# Allegro board Single PMT Data AcquisitionV_3P3.brd
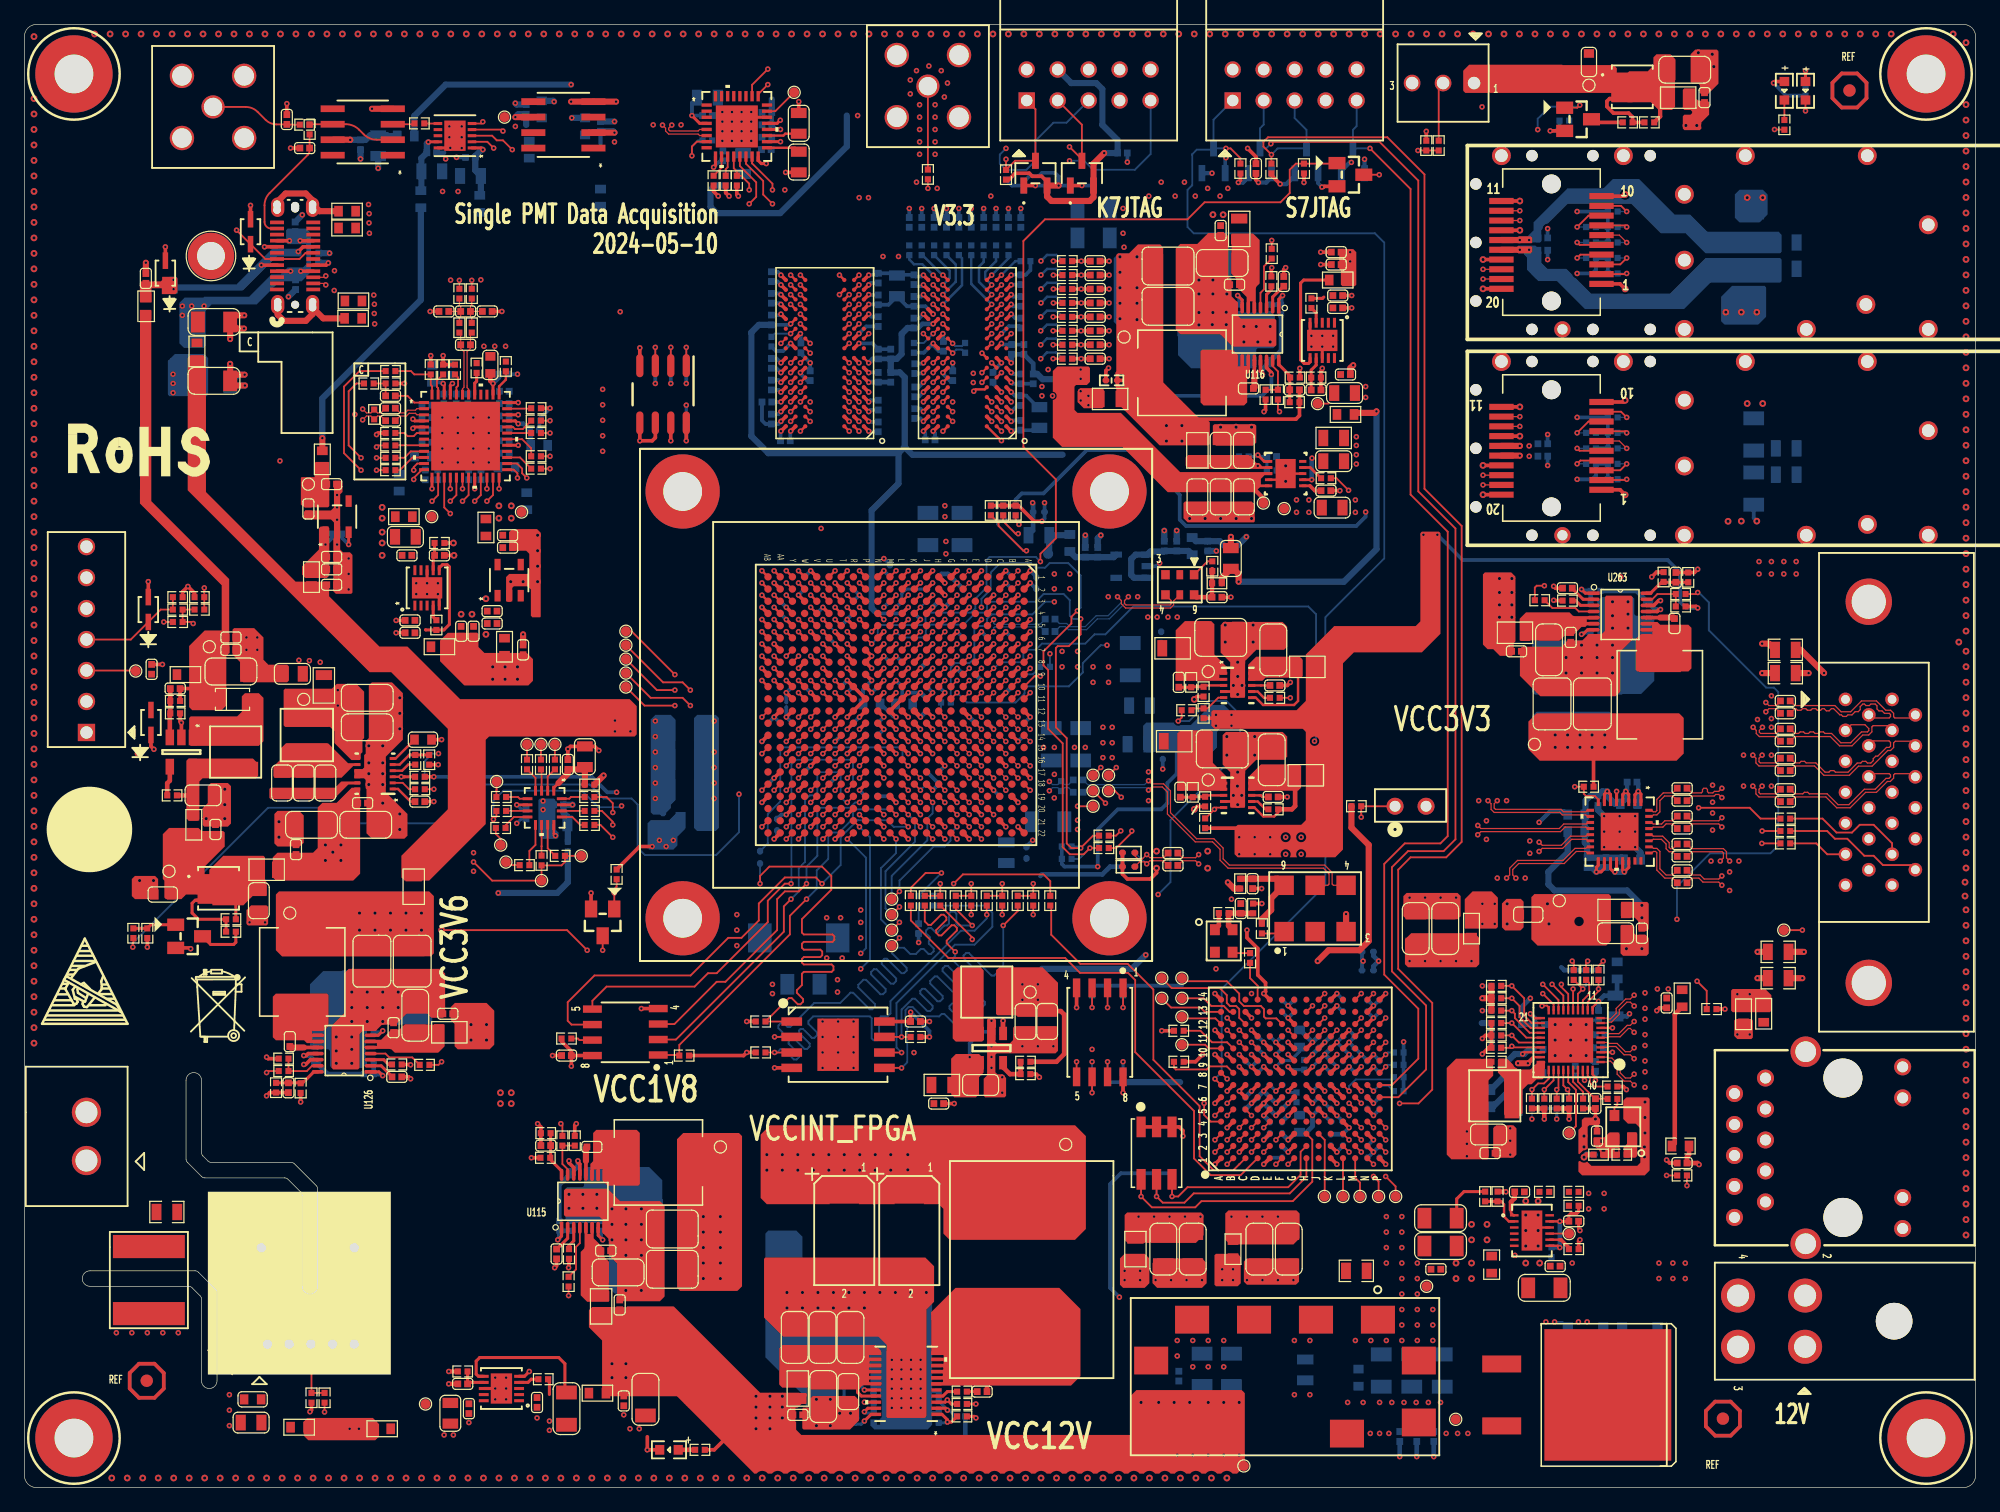
[diagram p0: board, top side]
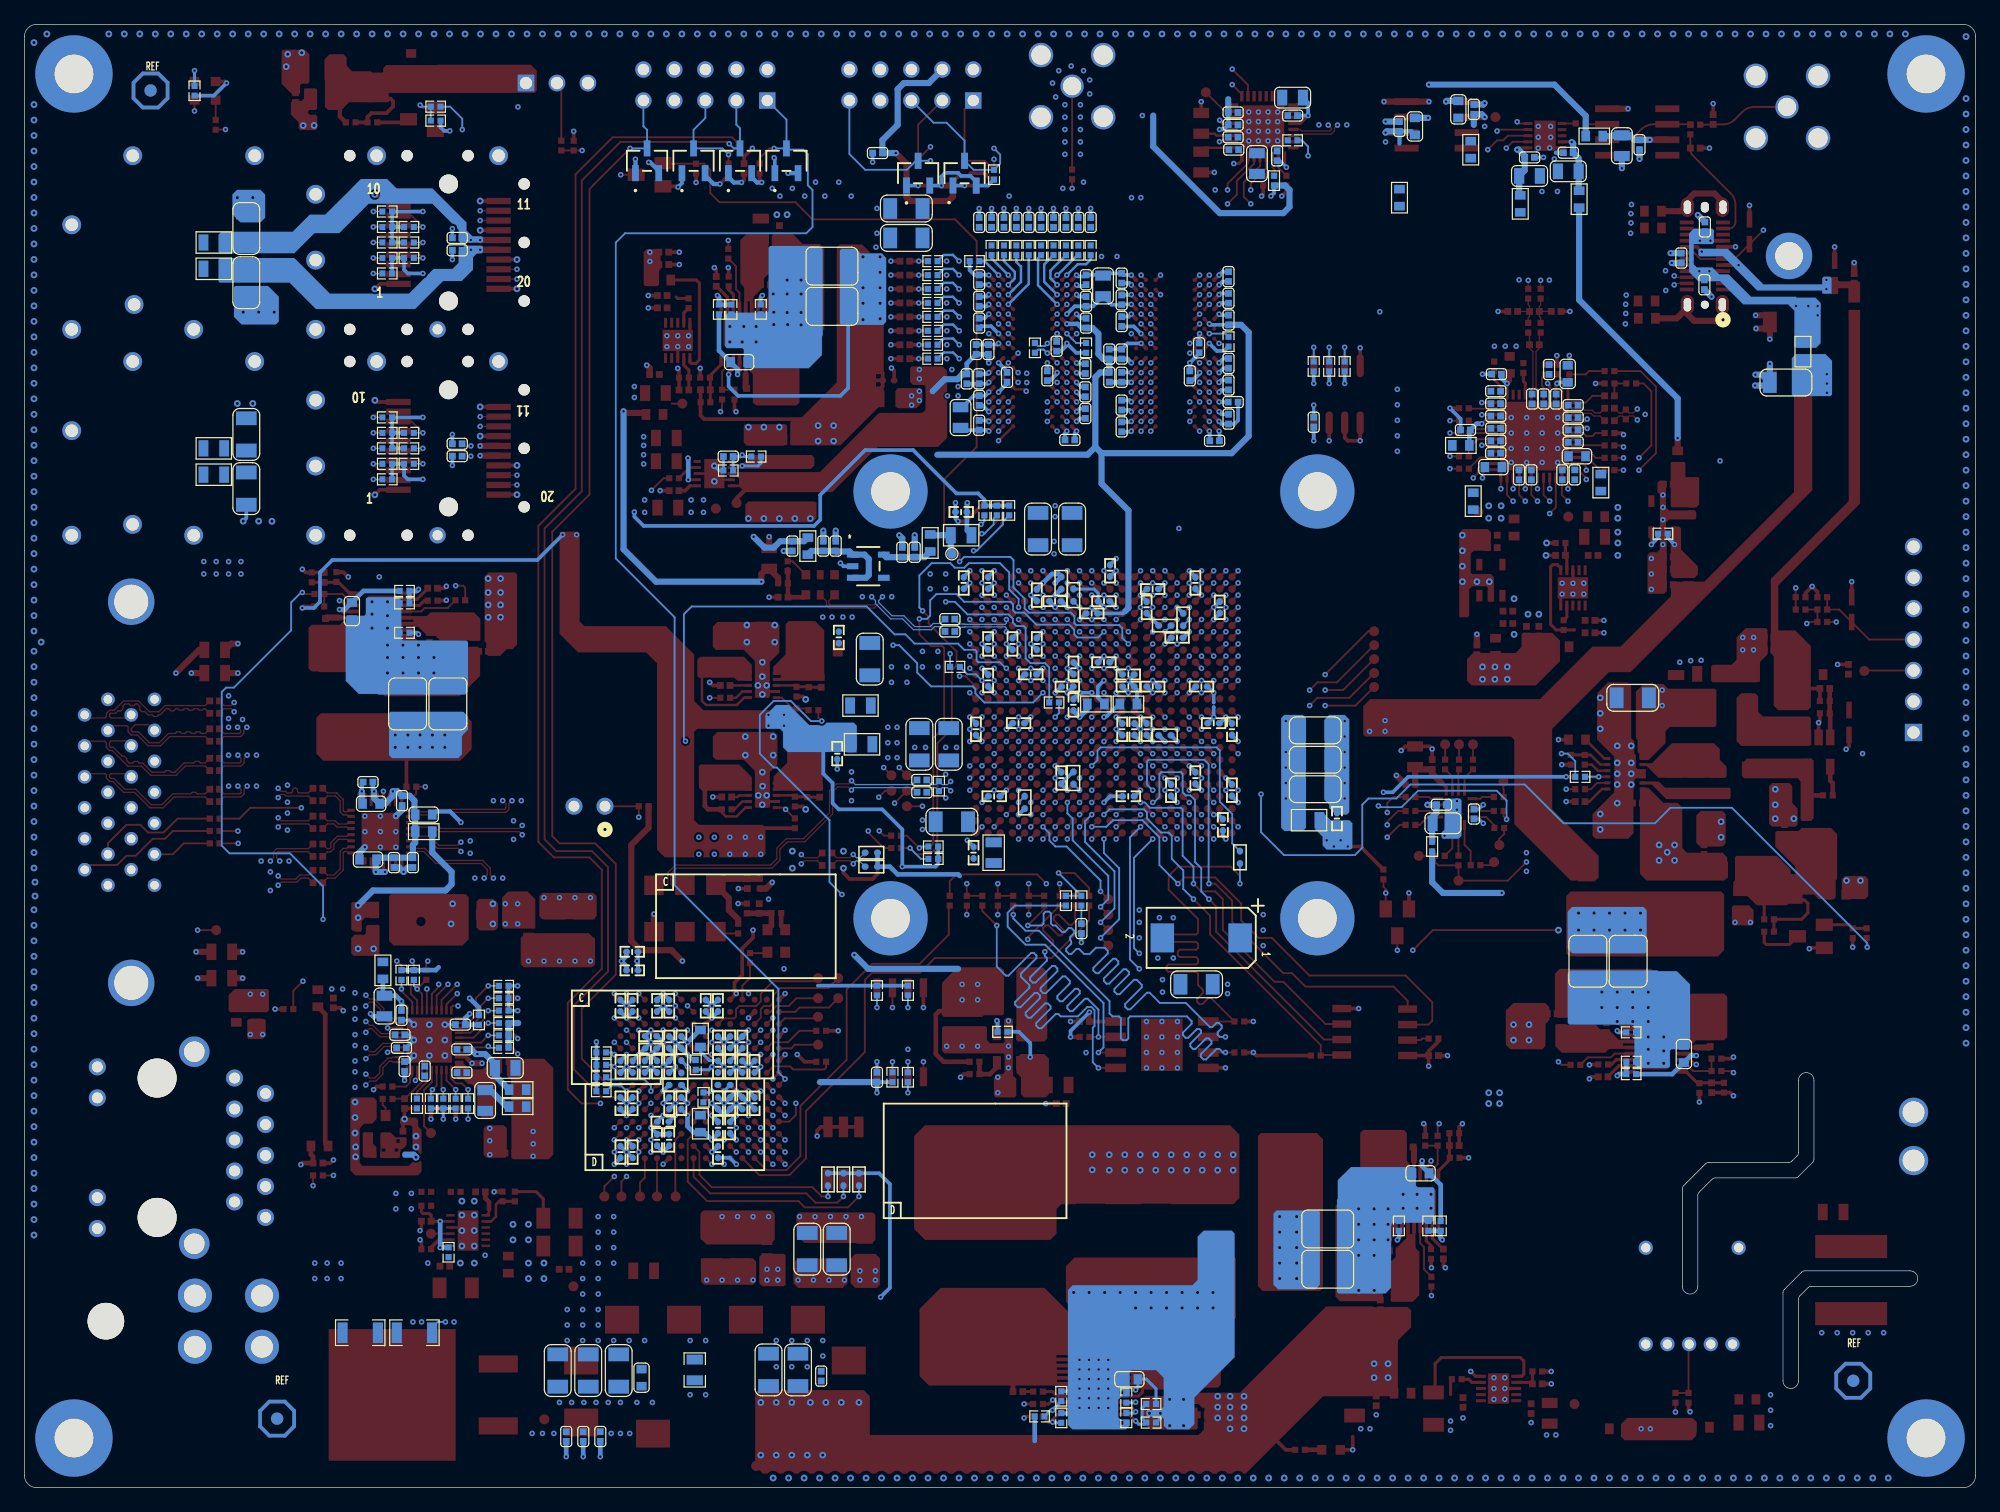
[diagram p1: board, bottom side, seen from below]

Outline 160 x 120 mm; copper layers: TOP, GND02, ART03, GND04, POWR05, ART06, GND07, ART08, GND09, BOTTOM. Coordinates in mm from the lower left corner of the outline.
Outline path: 0,119 0,1 arc(0.29,0.29) 1,0 159,0 arc(159.71,0.29) 160,1 160,119 arc(159.71,119.71) 159,120 1,120 arc(0.29,119.71) 0,119 ; 5.38,16.51 arc(4.75,17.14) 5.38,17.78 14,17.78 arc(14.14,17.75) 14.26,17.67 15.68,16.25 arc(15.77,16.13) 15.79,15.98 15.79,8.76 arc(15.16,8.13) 14.53,8.76 14.53,15.45 arc(14.5,15.6) 14.41,15.72 13.74,16.4 arc(13.61,16.48) 13.47,16.51 5.38,16.51 ; 13.26,33.4 arc(13.89,34.04) 14.53,33.4 14.53,27.47 arc(14.55,27.33) 14.64,27.2 15.06,26.78 arc(15.18,26.7) 15.33,26.67 21.87,26.67 arc(22.02,26.64) 22.14,26.56 23.94,24.76 arc(24.02,24.64) 24.05,24.49 24.05,16.51 arc(23.41,15.88) 22.78,16.51 22.78,23.96 arc(22.75,24.11) 22.67,24.23 21.61,25.29 arc(21.49,25.37) 21.34,25.4 14.8,25.4 arc(14.65,25.43) 14.53,25.51 13.37,26.68 arc(13.28,26.8) 13.26,26.95 13.26,33.4

## Design rules (mm)
constraint set DEFAULT: min track width 0.152
net group 12V: nets VCC12V_IN VCC12V_IN_CON
net group AD9265_CLK_N: nets AD9265_CLK_N N21623510
net group AD9265_CLK_P: nets AD9265_CLK_P N21623558
net group ADC_VIN1: nets ADC_VIN1+ ADC_VIN1-
net group ANG_IN: nets ANG_IN_+ ANG_IN_-
net group FPGA_DONE_R: nets FPGA_DONE_R FPGA_DONE_SFPGA
net group FPGA_INIT_B_R: nets FPGA_INIT_B_R FPGA_INIT_B_SFPGA
net group FPGA_MASTER_CLOCK_N: nets FPGA_MASTER_CLOCK_N N23259707
net group FPGA_MASTER_CLOCK_P: nets FPGA_MASTER_CLOCK_P N23259699
net group FPGA_PROG_B_R: nets FPGA_PROG_B_R FPGA_PROG_B_SFPGA
net group FPGA_SFP1_RX: nets FPGA_SFP1_RX_N FPGA_SFP1_RX_P
net group FPGA_SFP1_TX: nets FPGA_SFP1_TX_N FPGA_SFP1_TX_P
net group FPGA_SFP2_RX: nets FPGA_SFP2_RX_N FPGA_SFP2_RX_P
net group N21623393: nets N21623393 N21623693
net group QSPI_CS_B: nets QSPI_CS_B QSPI_CS_B_R
net group RF_FPS_TRIGGER_N_C: nets N22968125 RF_FPS_TRIGGER_N_C
net group RF_FPS_TRIGGER_P_C: nets N22968123 RF_FPS_TRIGGER_P_C
net group RF_MOD_IN_FIXED_N_C: nets N22968129 RF_MOD_IN_FIXED_N_C
net group RF_MOD_IN_FIXED_P_C: nets N22968127 RF_MOD_IN_FIXED_P_C
net group RF_MOD_IN_VARIABLE_N_C: nets N22968133 RF_MOD_IN_VARIABLE_N_C
net group RF_MOD_IN_VARIABLE_P_C: nets N22968131 RF_MOD_IN_VARIABLE_P_C
net group S_FPGA_CLK: nets N932083 S_FPGA_CLK
net group S_FPGA_QSPI_CLK: nets N929679 S_FPGA_QSPI_CLK
net group SYS_CLK_CON_N: nets SYS_CLK_CON_N TIMING_SYNC_REFCLK_N
net group SYS_CLK_CON_P: nets SYS_CLK_CON_P TIMING_SYNC_REFCLK_P
net group TIMING_SPI_CLK_N_C: nets N22968121 TIMING_SPI_CLK_N_C
net group TIMING_SPI_CLK_P_C: nets N22968119 TIMING_SPI_CLK_P_C
net group 3W: nets AD5592_1_SPI_CLK AD9265_SCLK CLK_SEL FPGA_SFP1_IIC_SCL TMP75_IIC_SCL
net group FPGA_CCLK_SFPGA: nets FPGA_CCLK_SFPGA
net group FPGA_CONFIG_D0: nets FPGA_CONFIG_D0
net group FPGA_CONFIG_D1: nets FPGA_CONFIG_D1
net group FPGA_CONFIG_D2: nets FPGA_CONFIG_D2
net group POWER: nets VCC3V3_A VCC12V_FAN VCC15V VCOM XADC_AGND

## Placement (name value [footprint] x y rotation side)
C2  0.1UF  [C0402_BGA]  73.98 64.19 90 bottom
C13  0.1UF  [C0402]  78.66 103.76 90 bottom
C14  0.1UF  [C0402]  81.71 103.76 90 bottom
C15  0.1UF  [C0402]  75.61 103.76 90 bottom
C22  0.1UF  [C0402]  124.51 101.47 0 bottom
C23  0.1UF  [C0402]  124.51 102.49 0 bottom
C97  0.1UF  [C0402]  106.73 81.76 0 top
C114  22UF  [C1206]  141.8 103.26 90 bottom
C115  22UF  [C1206]  141.8 98.81 270 bottom
C123  47UF  [C1206]  84.2 60.96 270 bottom
C143  47UF  [C1206]  54.15 59.69 180 bottom
C144  4.7UF  [C0402_BGA]  80.98 69.2 270 bottom
C146  4.7UF  [C0402_BGA]  82.97 74.19 90 bottom
C153  4.7UF  [C0402_BGA]  74.48 65.69 0 bottom
C155  4.7UF  [C0402_BGA]  68.98 62.19 90 bottom
C161  100UF  [C1206]  76.88 78.61 90 bottom
C162  100UF  [C1206]  74.09 78.61 90 bottom
C165  0.47UF  [C0402_BGA]  69.48 66.69 180 bottom
C166  0.47UF  [C0402_BGA]  69.98 62.19 90 bottom
C187  0.01UF  [C0402]  71.04 91.06 90 bottom
C217  68PF_DNP  [C0402]  73.33 45.85 270 bottom
C224  4.7UF  [C0805]  107.36 84.18 0 top
C250  10UF  [C0805]  71.55 98.55 90 bottom
C271  1000PF  [C0402]  102.28 84.56 0 bottom
C340  10UF  [C0805]  98.09 85.06 90 top
C341  10UF  [C0805]  99.99 85.06 90 top
C342  10UF  [C0805]  96.19 81.25 270 top
C343  10UF  [C0805]  98.09 81.25 270 top
C344  10UF  [C0805]  100 81.25 270 top
C400  100UF  [C1206]  54.15 57.28 180 bottom
C401  4.7UF  [C0402_BGA]  60.98 62.19 90 bottom
C403  0.47UF  [C0402_BGA]  69.48 56.7 0 bottom
C407  100UF  [C1206]  54.15 62.1 180 bottom
C408  4.7UF  [C0402_BGA]  61.72 54.36 270 bottom
C409  4.7UF  [C0402_BGA]  65.98 57.19 90 bottom
C410  0.47UF  [C0402_BGA]  60.98 57.2 270 bottom
C414  100UF  [C1206]  83.95 54.61 0 bottom
C415  4.7UF  [C0402_BGA]  81.97 62.19 90 bottom
C417  0.47UF  [C0402_BGA]  74.98 58.2 270 bottom
C418  4.7UF  [C0402_BGA]  67.98 62.2 270 bottom
C419  4.7UF  [C0402_BGA]  67.48 65.69 180 bottom
C420  4.7UF  [C0402_BGA]  69.48 65.69 180 bottom
C425  47UF  [C1206]  86.61 60.96 270 bottom
C426  0.1UF  [C0402_BGA]  78.98 69.2 270 bottom
C427  0.1UF  [C0402_BGA]  76.98 69.2 270 bottom
C430  0.1UF  [C0402_BGA]  76.98 73.19 270 bottom
C431  0.1UF  [C0402_BGA]  80.97 74.19 90 bottom
C434  0.47UF  [C0402_BGA]  80.47 56.7 0 bottom
C437  100UF  [C1206]  90.68 67.94 90 bottom
C438  4.7UF  [C0402_BGA]  77.48 66.7 0 bottom
C440  0.47UF  [C0402_BGA]  80.97 66.19 90 bottom
C441  0.47UF  [C0402_BGA]  78.47 62.7 0 bottom
C462  0.1UF  [C0402_BGA]  62.48 62.69 180 bottom
C463  0.1UF  [C0402_BGA]  63.48 65.7 0 bottom
C491  0.1UF  [C0402_BGA]  72.48 71.69 0 bottom
C492  0.1UF  [C0402_BGA]  61.98 72.19 270 bottom
C493  100UF  [C1206]  63.88 41.27 0 bottom
C494  4.7UF  [C0402_BGA]  71.48 67.69 180 bottom
C495  4.7UF  [C0402_BGA]  73.97 67.19 90 bottom
C505  0.1UF  [C0402]  90.04 109.45 0 bottom
C506  4.7UF  [C0402]  70.02 92.96 90 bottom
C507  47nF  [C0402]  61.26 95.76 90 bottom
C508  4.7UF  [C0402_BGA]  67.48 73.7 0 bottom
C510  0.47UF  [C0402_BGA]  65.48 69.7 0 bottom
C511  0.47UF  [C0402_BGA]  63.98 74.19 90 bottom
C514  4.7UF  [C0402_BGA]  67.97 72.19 90 bottom
C515  0.47UF  [C0402_BGA]  70.98 75.19 90 bottom
C516  0.47UF  [C0402_BGA]  71.48 72.69 180 bottom
C520  0.01UF  [C0402]  71.04 92.96 90 bottom
C521  47UF  [C1206]  87.68 102.49 0 bottom
C522  4.7UF  [C0402]  87.8 92.58 0 top
C523  4.7UF  [C0402]  74.6 103.76 90 bottom
C524  0.1UF  [C0402]  73.58 103.76 90 bottom
C525  0.1UF  [C0402]  87.8 100.58 0 top
C526  0.1UF  [C0402]  80.69 103.76 90 bottom
C527  0.1UF  [C0402]  79.68 103.76 90 bottom
C528  47nF  [C0402]  63.67 93.47 270 bottom
C529  47nF  [C0402]  60.88 89.03 180 bottom
C530  47nF  [C0402]  62.4 85.85 180 bottom
C531  47nF  [C0402]  70.02 95.63 90 bottom
C532  47nF  [C0402]  61.26 92.2 270 bottom
C533  47nF  [C0402]  61.26 97.54 90 bottom
C534  47nF  [C0402]  64.44 91.19 90 bottom
C535  47nF  [C0402]  61.26 87.63 270 bottom
C536  47nF  [C0402]  61.26 90.42 90 bottom
C538  47nF  [C0402]  61.26 99.31 90 bottom
C539  47nF  [C0402]  70.02 87 90 bottom
C540  47nF  [C0402]  70.02 88.77 90 bottom
C541  47nF  [C0402]  70.02 91.06 90 bottom
C542  47nF  [C0402]  70.02 97.41 90 bottom
C543  47nF  [C0402]  70.02 99.19 90 bottom
C544  0.01UF  [C0402]  82.72 90.93 90 bottom
C545  0.01UF  [C0402]  81.96 93.34 90 bottom
C546  0.1UF  [C0402]  87.8 99.44 0 top
C547  0.1UF  [C0402]  76.63 103.76 90 bottom
C548  0.1UF  [C0402]  77.64 103.76 90 bottom
C549  47UF  [C1206]  87.68 104.9 0 bottom
C550  4.7UF  [C0402]  87.8 98.3 0 top
C551  4.7UF  [C0402]  87.8 97.16 0 top
C552  0.1UF  [C0402]  72.56 103.76 90 bottom
C553  0.1UF  [C0402]  87.8 93.73 0 top
C554  0.1UF  [C0402]  87.8 94.87 0 top
C555  0.1UF  [C0402]  87.8 96.01 0 top
C556  47nF  [C0402]  75.36 93.6 270 bottom
C557  47nF  [C0402]  76.12 91.19 90 bottom
C558  47nF  [C0402]  74.27 85.93 180 bottom
C559  47nF  [C0402]  73 88.09 270 bottom
C560  47nF  [C0402]  73 89.86 90 bottom
C561  47nF  [C0402]  73 91.77 270 bottom
C562  47nF  [C0402]  81.71 97.28 90 bottom
C563  4.7UF  [C0402]  72.94 95.5 90 bottom
C564  47nF  [C0402]  81.71 99.06 90 bottom
C565  47nF  [C0402]  81.71 95.5 90 bottom
C566  10UF  [C0805]  83.23 87.76 90 bottom
C567  47nF  [C0402]  79.42 91.06 270 bottom
C568  47nF  [C0402]  81.71 87.12 90 bottom
C569  47nF  [C0402]  81.71 89.15 90 bottom
C570  47nF  [C0402]  72.94 97.28 90 bottom
C571  47nF  [C0402]  72.94 99.06 90 bottom
C572  47nF  [C0402]  81.71 90.93 90 bottom
C573  47nF  [C0402]  80.95 93.34 90 bottom
C640  4.7UF  [C0805]  107.23 80.37 0 top
C641  0.1UF  [C0402]  73.07 38.23 0 top
C642  0.01UF  [C0402]  54.28 87.38 90 bottom
C751  100UF  [C1206]  93.39 19.56 270 top
C752  100UF  [C1206]  95.81 19.56 270 bottom
C753  4.7UF  [C0402_BGA]  107.13 31.52 270 bottom
C754  4.7UF  [C0402_BGA]  100.12 31.52 90 bottom
C755  4.7UF  [C0402_BGA]  102.13 29.52 270 bottom
C756  4.7UF  [C0402_BGA]  103.13 29.52 270 bottom
C757  0.47UF  [C0402_BGA]  101.13 34.52 270 bottom
C758  0.47UF  [C0402_BGA]  107.12 36.51 90 bottom
C759  0.47UF  [C0402_BGA]  102.13 34.52 270 bottom
C760  0.47UF  [C0402_BGA]  101.12 36.52 90 bottom
C761  0.47UF  [C0402_BGA]  107.13 34.52 270 bottom
C762  0.47UF  [C0402_BGA]  106.13 31.52 270 bottom
C763  0.47UF  [C0402_BGA]  107.62 30.02 0 bottom
C764  0.47UF  [C0402_BGA]  103.13 31.52 270 bottom
C765  100UF  [C1206]  95.81 19.56 270 top
C766  47UF  [C1206]  93.39 19.56 270 bottom
C767  4.7UF  [C0402_BGA]  101.13 31.52 270 bottom
C768  0.47UF  [C0402_BGA]  100.13 34.52 270 bottom
C769  0.47UF  [C0402_BGA]  102.13 31.52 270 bottom
C770  47UF  [C1206]  103.68 19.56 270 top
C771  4.7UF  [C0402_BGA]  111.13 27.52 270 bottom
C772  4.7UF  [C0402_BGA]  108.62 36.02 0 bottom
C773  0.47UF  [C0402_BGA]  103.13 36.52 270 bottom
C774  0.47UF  [C0402_BGA]  106.13 36.52 270 bottom
C775  0.47UF  [C0402_BGA]  108.13 34.52 270 bottom
C776  0.47UF  [C0402_BGA]  103.13 27.52 270 bottom
C777  47UF  [C1206]  114.09 45.85 90 top
C778  4.7UF  [C0402_BGA]  110.12 34.52 90 bottom
C779  4.7UF  [C0402_BGA]  104.13 39.52 270 bottom
C780  0.47UF  [C0402_BGA]  111.13 39.52 270 bottom
C781  0.47UF  [C0402_BGA]  111.13 31.52 270 bottom
C782  0.47UF  [C0402_BGA]  110.13 31.52 270 bottom
C783  0.47UF  [C0402_BGA]  103.13 39.52 270 bottom
C784  47UF  [C1206]  116.51 45.85 90 top
C785  4.7UF  [C0402_BGA]  111.12 34.52 90 bottom
C786  4.7UF  [C0402_BGA]  110.15 43.94 0 bottom
C787  0.47UF  [C0402_BGA]  108.12 39.51 90 bottom
C788  0.47UF  [C0402_BGA]  110.15 42.42 0 bottom
C789  0.47UF  [C0402_BGA]  110.13 39.52 270 bottom
C790  0.47UF  [C0402_BGA]  107.12 39.51 90 bottom
C791  47UF  [C1206]  101.27 19.56 270 top
C792  4.7UF  [C0402_BGA]  108.12 28.51 90 bottom
C793  4.7UF  [C0402_BGA]  108.62 37.02 0 bottom
C794  0.47UF  [C0402_BGA]  109.13 34.52 270 bottom
C795  0.47UF  [C0402_BGA]  110.12 27.52 90 bottom
C796  0.47UF  [C0402_BGA]  107.12 28.51 90 bottom
C797  0.47UF  [C0402_BGA]  102.13 36.52 270 bottom
C798  0.1UF  [C0402]  90.09 33.66 90 bottom
C799  0.1UF  [C0402]  100.99 108.18 270 top
C800  0.1UF  [C0402]  99.74 47.5 90 top
C815  0.1UF_DNP  [C0402_BGA]  103.12 34.52 270 bottom
C838  1000PF  [C0402]  135.93 26.62 0 top
C839  0.1UF  [C0402]  128.95 28.83 90 top
C841  10UF  [C0805]  130.47 39.5 270 bottom
C842  0.1UF  [C0402]  128.82 34.54 90 bottom
C846  10UF  [C0805]  120.57 34.42 180 bottom
C847  0.1UF  [C0402]  124.13 35.94 0 bottom
C849  0.1UF  [C0402]  124.13 34.04 0 bottom
C850  10UF  [C0805]  122.22 31.75 270 bottom
C851  0.1UF  [C0402]  129.08 38.73 270 bottom
C852  0.1UF  [C0402]  127.17 34.16 90 bottom
C853  0.1UF  [C0402]  129.21 37.13 180 bottom
C854  0.1UF  [C0402]  129.08 36.07 180 bottom
C855  0.1UF  [C0402]  124.25 37.97 0 bottom
C859  10UF  [C0805]  120.06 28.96 0 top
C864  0.1UF  [C0402]  120.19 27.43 0 top
C865  100PF  [C0402]  128.82 31.5 270 top
C866  0.1UF  [C0402]  134.67 39.75 270 top
C868  0.1UF  [C0603]  18.72 7.24 0 top
C881  0.1UF  [C0402]  44.57 59.3 90 top
C882  10UF  [C0805]  45.96 59.94 90 top
C883  0.1UF  [C0402]  43.8 56 180 bottom
C884  10UF  [C0805]  43.68 54.48 180 bottom
C885  0.1UF  [C0402]  41.14 55.24 270 bottom
C905  1UF  [C0603]  33.45 91.34 90 bottom
C906  0.1UF  [C0402]  39.29 91.31 180 bottom
C907  0.1UF  [C0402]  41.83 86.74 180 bottom
C908  1UF  [C0603]  38.21 92.07 90 top
C909  0.1UF  [C0402]  30.02 89.53 0 top
C910  0.1UF  [C0402]  30.02 88.52 0 top
C911  0.1UF  [C0402]  30.02 87.5 0 top
C912  0.1UF  [C0402]  36.37 89.28 90 bottom
C913  0.1UF  [C0402]  34.97 91.69 270 bottom
C914  0.1UF  [C0402]  33 88.77 180 bottom
C915  0.1UF  [C0402]  33 87.76 180 bottom
C916  0.1UF  [C0402]  33 86.74 180 bottom
C917  0.1UF  [C0402]  33 85.72 180 bottom
C918  0.1UF  [C0402]  39.35 89.92 0 bottom
C919  0.1UF  [C0402]  39.35 88.9 0 bottom
C920  0.1UF  [C0402]  39.35 87.88 0 bottom
C921  0.1UF  [C0402]  39.35 86.87 0 bottom
C922  0.1UF  [C0402]  35.41 89.28 90 bottom
C923  0.1UF  [C0402]  34.4 89.28 90 bottom
C924  0.1UF  [C0402]  39.35 85.85 0 bottom
C925  0.1UF  [C0402]  36.43 83.06 270 bottom
C926  0.1UF  [C0402]  37.45 83.06 270 bottom
C927  0.1UF  [C0402]  32.87 83.06 270 bottom
C928  0.1UF  [C0402]  33.89 83.06 270 bottom
C929  0.1UF  [C0402]  39.35 84.84 0 bottom
C930  0.1UF  [C0402]  100.71 49.53 90 top
C939  0.1UF  [C0402]  94.18 51.03 180 top
C940  0.1UF  [C0402]  94.18 52.04 180 top
C941  0.1UF  [C0402]  86.41 57.02 180 bottom
C942  0.1UF  [C0402]  86.41 58.04 180 bottom
C943  1UF  [C0603]  32.69 84.58 0 bottom
C944  1UF  [C0603]  39.54 83.69 180 bottom
C989  0.01UF  [C0402]  84.11 71.23 0 bottom
C990  0.01UF  [C0402]  84.11 70.21 0 bottom
C1134  10UF  [C1206]  116.26 9.6 90 bottom
C1135  0.1UF  [C0402]  94.66 9.14 270 bottom
C1136  0.1UF  [C0402]  112.78 4.19 90 bottom
C1137  10UF  [C1206]  98.98 9.65 90 bottom
C1138  10UF  [C1206]  96.57 9.65 90 bottom
C1139  10UF  [C1206]  113.77 9.6 90 bottom
C1140  1000PF  [C0402]  115.57 4.19 270 bottom
C1142  10UF  [C1206]  111.27 9.6 90 bottom
C1144  1UF  [C0603]  109.39 9.02 90 bottom
C1145  0.1UF  [C0402]  114.17 4.19 90 bottom
C1146  0.1UF_DNP  [C0402]  127.05 21.84 180 top
C1147  10UF  [C1206]  124.63 16.38 180 top
C1148  0.1UF  [C0402]  125.52 18.16 0 top
C1149  10UF  [C1206]  116.12 22.1 180 top
C1150  10UF  [C1206]  116.12 19.81 180 top
C1151  47nF  [C0402]  122.6 24.26 0 top
C1152  0.1UF  [C0402]  115.74 17.91 0 top
C1153  22UF  [C1206]  67.74 12.32 90 top
C1154  22UF  [C1206]  63.17 12.32 90 top
C1155  22UF  [C1206]  65.45 12.32 90 top
C1156  22UF  [C1206]  65.5 7.47 270 top
C1157  4.7UF  [C0805]  67.56 7.87 270 top
C1158  1UF  [C0603]  69.39 8.89 0 bottom
C1159  0.1UF  [C0402]  78.53 7.87 180 top
C1172  47UF  [C1210]  53.13 21.21 180 top
C1173  47UF  [C1210]  53.13 17.9 180 top
C1174  47UF  [C1210]  53.13 17.91 180 bottom
C1175  1UF  [C0603]  45.51 25.78 0 bottom
C1176  0.01UF  [C0402]  43.64 19.16 270 top
C1177  0.1UF  [C0402]  47.67 19.43 180 top
C1178  22UF  [C1206]  48.69 17.65 0 top
C1179  0.1UF  [C0402]  46.53 27.94 180 top
C1180  4.7PF  [C0402]  42.75 28.05 180 top
C1181  47UF  [C1210]  53.13 21.21 180 bottom
C1182  0.1UF  [C0402]  63.42 5.97 180 top
C1183  0.1UF  [C0402]  48.81 14.99 270 top
C1184  0.1UF  [C0402_BGA]  52.37 54.86 90 bottom
C1185  0.1UF  [C0402_BGA]  93.35 60.2 270 bottom
C1186  0.1UF  [C0402_BGA]  89.15 90.81 180 top
C1187  0.1UF  [C0402]  98.09 103.1 90 top
C1188  0.1UF  [C0402]  99.23 98.65 0 top
C1189  1UF  [C0603]  101.39 92.3 180 bottom
C1190  0.01UF  [C0402]  103.27 98.92 90 top
C1191  0.1UF  [C0402]  100.38 90.14 0 top
C1192  4.7PF  [C0402]  104.16 90.03 0 top
C1193  47UF  [C1210]  93.78 96.87 0 bottom
C1194  47UF  [C1210]  93.78 96.88 0 top
C1195  47UF  [C1210]  93.78 100.17 0 bottom
C1196  47UF  [C1210]  93.78 100.18 0 top
C1197  22UF  [C1206]  98.22 100.43 180 top
C1198  47UF  [C1210]  128.58 64.27 90 bottom
C1199  47UF  [C1210]  128.57 64.27 90 top
C1200  47UF  [C1210]  125.28 64.27 90 bottom
C1201  47UF  [C1210]  125.27 64.27 90 top
C1202  1UF  [C0603]  133.15 71.89 270 bottom
C1203  0.01UF  [C0402]  126.53 73.76 180 top
C1204  0.1UF  [C0402]  126.8 69.73 90 top
C1205  22UF  [C1206]  125.02 68.71 270 top
C1206  0.1UF  [C0402]  135.31 70.87 90 top
C1207  4.7PF  [C0402]  135.42 74.65 90 top
C1208  0.1UF  [C0402]  102.41 56.64 180 top
C1209  0.1UF  [C0402]  122.35 68.58 180 top
C1215  22UF  [C1206]  102.28 59.69 90 top
C1216  0.01UF  [C0402]  94.79 57.02 90 top
C1230  22UF  [C1206]  102.41 68.71 90 top
C1231  0.1UF  [C0402]  102.54 65.79 180 top
C1232  47UF  [C1210]  98.22 60.58 0 top
C1233  47UF  [C1210]  98.1 69.73 0 top
C1234  0.01UF  [C0402]  94.66 66.04 90 top
C1256  0.1UF  [C0402]  74.98 31.5 180 top
C1257  10UF  [C0805]  78.41 33.02 0 top
C1258  10UF  [C0805]  82.09 38.23 270 top
C1259  10UF  [C0805]  83.87 38.23 270 top
C1264  1UF  [C0603]  123.32 46.99 180 top
C1265  0.1UF  [C0402]  132.63 45.47 90 top
C1266  10UF  [C0805]  130.48 45.47 0 top
C1267  47UF  [C1210]  31.8 43.17 270 top
C1268  47UF  [C1210]  31.79 43.17 270 bottom
C1269  47UF  [C1210]  28.5 43.17 270 top
C1270  47UF  [C1210]  28.49 43.17 270 bottom
C1271  1UF  [C0603]  23.92 35.56 90 bottom
C1272  4.7UF  [C0402]  30.54 33.69 0 top
C1273  0.1UF  [C0402]  30.27 37.72 270 top
C1274  22UF  [C1206]  32.05 38.73 90 top
C1275  0.1UF  [C0402]  21.76 36.58 270 top
C1276  4.7PF  [C0402]  21.65 32.8 270 top
C1277  0.1UF  [C0402]  107.57 100.3 0 top
C1278  0.1UF  [C0402]  34.72 38.86 0 top
C1279  4.7UF  [C0402]  107.57 101.32 180 top
C1280  4.7UF  [C0402]  107.7 97.76 0 top
C1281  10UF  [C0805]  108.25 89.77 0 top
C1282  0.1UF  [C0402]  108.33 91.29 180 top
C1296  4.7UF  [C0402]  31.62 70.1 180 top
C1298  0.1UF  [C0402]  35.81 70.23 270 top
C1299  0.1UF  [C0402]  40.89 68.71 270 top
C1300  10UF  [C0805]  31.24 77.98 180 top
C1301  0.1UF  [C0402]  31.37 76.45 0 top
C1302  4.7UF  [C0402]  38.35 70.87 180 top
C1303  0.1UF  [C0402]  39.62 77.09 180 top
C1304  4.7UF  [C0402]  39.62 78.11 0 top
C1324  4.7UF  [C0402]  25.19 76.33 0 top
C1326  0.1UF  [C0402]  25.19 74.04 180 top
C1327  0.1UF  [C0402]  25.19 75.31 180 top
C1328  4.7UF  [C0402]  25.19 82.3 0 top
C1329  0.1UF  [C0402]  23.29 80.26 90 top
C1337  0.03UF_DNP  [C2220]  10.21 17.02 90 top
C1338  0.1UF  [C0402]  49.15 7.11 90 top
C1339  10UF  [C1206]  44.45 6.48 270 top
C1340  0.47UF  [C0402]  35.94 8.51 180 top
C1341  10UF  [C0805]  34.93 6.1 270 top
C1347  1UF_DNP  [C0603]  128.29 116.92 90 top
C1348  0.1UF_DNP  [C0402]  137.77 114 270 top
C1349  10UF_DNP  [C1206]  136.14 116.28 0 top
C2011  100PF  [C0402]  36.18 96.46 180 top
C2012  100PF_DNP  [C0402]  36.18 93.73 180 top
C2084  22UF  [C1206]  23.54 54.36 180 top
C2085  22UF  [C1206]  27.99 54.36 0 top
C2086  2.2UF  [C0402]  27.73 56.13 180 top
C2087  1UF  [C0603]  32.69 61.34 0 top
C2088  0.22UF  [C0402]  32.43 56.26 180 top
C2089  10UF  [C0805]  24.68 57.78 90 top
C2090  10UF  [C0805]  22.91 57.78 90 top
C2091  10UF  [C0805]  21.13 57.78 90 top
C2092  22UF  [C1206]  28.11 64.77 0 top
C2093  22UF  [C1206]  28.11 64.77 0 bottom
C2094  22UF  [C1206]  28.11 62.36 0 top
C2106  10UF  [C0805]  21.98 66.74 180 top
C2256  0.1UF  [C0402_BGA]  93.22 69.72 90 bottom